# KiCad board MinicalcControlPanel.kicad_pcb (continued)
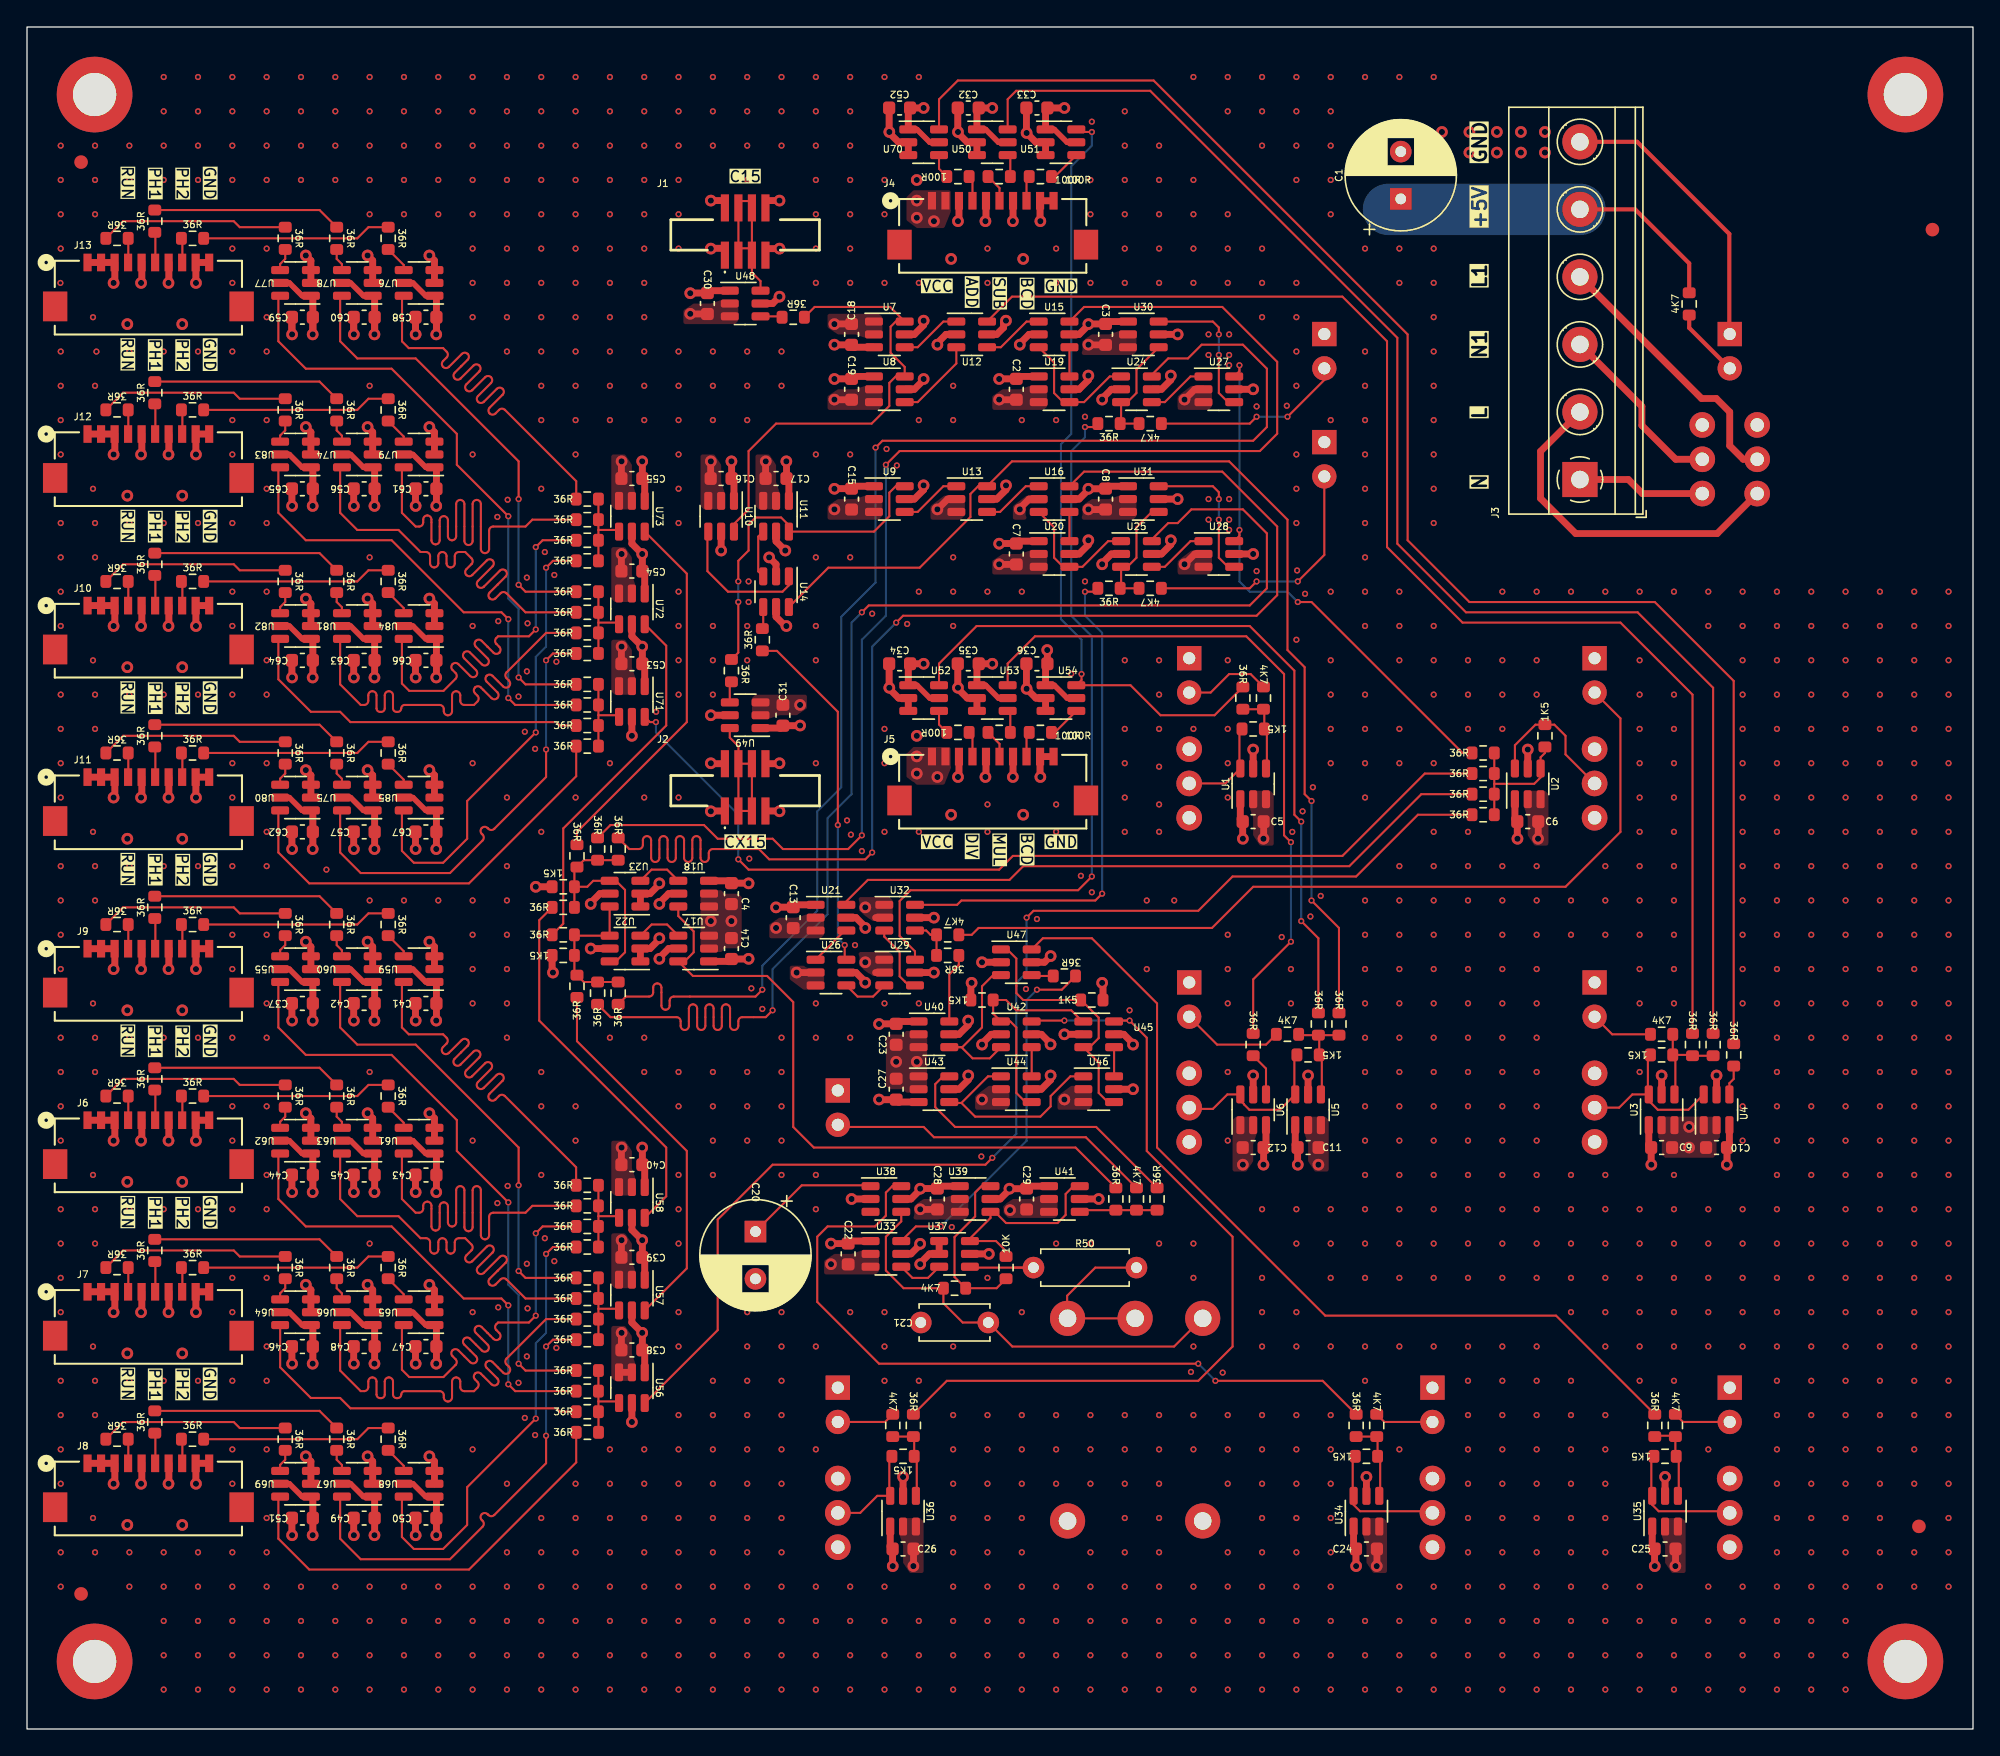
[diagram p0: board, top side]
## Routing (per net, layer and track width the routed paths; a pad name or vN(x,y) marks a point on that pad's centre or on a via; arc(x,y) is an arc through that point) (continued)
  Bottom w0.152: v2(36.38,27.04) 36.38,32.12 35.62,32.89 v2(35.62,38.98)
/CONTINUE: length 26.1
  Top w0.152: R23.1 55.49,79.81 60,75.3 v2(60,66.92) ; U26.6 60.51,57.07 v2(60.51,58.03)
  Bottom w0.152: v2(60,66.92) 60,58.54 v2(60.51,58.03)
/CX15: length 25.7
  Top w0.152: R6.1 52.63,79.69 v2(52.63,83.43) ; U11.6 56.38,89.11 55.8,89.69 53.92,89.69 53.4,89.17 53.4,87.25 52.63,86.48 v2(52.63,84.96) ; U11.6 62.67,88.64 63.81,89.78 63.81,91.53 64.29,92 U9.6 ; U11.6 56.38,88.32
  Bottom w0.152: v2(52.63,84.96) v2(52.63,83.43)
/DIV_1: length 82.2
  Top w0.152: U14.6 59.29,85.97 66.06,85.97 69.81,89.73 69.81,91.43 70.38,92 U13.6 72.89,93.85 88.96,93.85 93.27,89.53 93.27,79.88 94.54,78.61 94.54,69.21 v2(95.05,68.7) ; v2(95.05,61.33) 97.08,59.3 R18.1
  Bottom w0.152: v2(95.05,61.33) v2(95.05,68.7)
/DIV_2: length 56.5
  Top w0.152: U52.6 67.49,78.87 70.27,81.65 90.48,81.65 93.78,78.35 93.78,67.68 v2(94.29,67.18) ; R19.1 95.56,58.54 v2(94.29,59.81)
  Bottom w0.152: v2(94.29,59.81) v2(94.29,67.18)
/DIV_LED: length 7.6
  Top w0.152: D8.2 88.06,50.67 91.69,50.67 R17.1
/DIVZERO: length 38.1
  Top w0.152: v2(78.29,84.19) 78.99,84.19 R37.1 ; U32.6 68.82,61.01 69.14,61.33 79.05,61.33 v2(79.56,61.84)
  Bottom w0.152: v2(78.29,84.19) 78.29,82.42 79.56,81.15 v2(79.56,61.84)
/DIVZERO_LED: length 19
  Top w0.152: R36.1 90.48,84.45 v2(90.99,84.96) ; 95.97,92.73 95.9,92.66 ; D5.2 96,86.92 v2(94.04,84.96)
  Bottom w0.152: v2(90.99,84.96) v2(94.04,84.96)
/EXEC: length 5.2
  Top w0.152: R39.1 68.95,56.57 68.25,55.87 U40.6
/EXEC_LED: length 63.2
  Top w0.152: D2.2 117.91,74.82 117.91,66.41 113.85,62.35 90.73,62.35 87.69,59.3 70.41,59.3 69.91,58.79 R38.1
/IN11/I: length 11.9
  Top w0.152: U48.6 54.28,107.19 53.64,107.82 J1.3 ; 52.64,113.12 53.64,113.12 53.64,109.62 52.64,109.62 52.64,113.12
/IN11/O: length 1.6
  Top w0.152: U48.4 55.81,104.58 55.87,104.51
/IN12/I: length 11.9
  Top w0.152: U49.6 52,73.39 52.64,72.76 J2.2 ; J2.2 J2.3 J2.3 J2.2 J2.2
/IN12/O: length 1.6
  Top w0.152: R6.2 52,77.41 U49.4
/MUL: length 52
  Top w0.152: U53.6 72.57,78.87 74.59,80.89 90.23,80.89 93.02,78.1 93.02,66.16 v2(93.53,65.65) ; R20.1 90.73,55.49 v2(93.53,58.29)
  Bottom w0.152: v2(93.53,58.29) v2(93.53,65.65)
/OUT0/O: length 1.9
  Top w0.152: R98.1 69.96,114.68 J4.4
/OUT1/O: length 2.1
  Top w0.152: J4.6 71.96,114.08 R57.1
/OUT2/O: length 1.9
  Top w0.152: J4.8 73.96,114.73 R58.1
/OUT3/O: length 1.9
  Top w0.152: R59.1 69.96,73.53 J5.4
/OUT4/O: length 2.1
  Top w0.152: R60.1 71.96,72.93 J5.6
/OUT5/O: length 1.9
  Top w0.152: J5.8 73.96,73.58 R61.1
/OVERFLOW: length 55.2
  Top w0.152: U29.6 65.71,57.57 64.57,58.71 64.57,61.29 65.37,62.1 77.78,62.1 v2(78.8,63.11) ; R35.1 78.99,96.39 v2(78.29,96.39)
  Bottom w0.152: v2(78.8,63.11) 78.8,80.89 77.27,82.42 77.27,94.61 78.29,95.62 v2(78.29,96.39)
/OVERFLOW_LED: length 14.3
  Top w0.152: D4.2 96,99.87 v2(93.27,97.15) ; v2(90.99,97.15) 90.48,96.64 R34.1
  Bottom w0.152: v2(90.99,97.15) v2(93.27,97.15)
/PH1_1: length 102
  Top w0.152: R26.1 44.31,54.22 46.03,54.22 arc(46.25,54.31) 46.33,54.53 46.33,54.89 arc(46.42,55.11) 46.64,55.2 arc(46.86,55.11) 46.94,54.89 46.94,53.55 arc(47.03,53.34) 47.25,53.25 arc(47.46,53.34) 47.55,53.55 47.55,53.92 arc(47.64,54.13) 47.86,54.22 53.9,54.22 v2(54.41,54.73) ; v2(62.79,94.86) 63.3,95.37 90.73,95.37 91.75,96.39 91.75,100.7 89.97,102.48 86.92,102.48 85.91,101.47 84.44,101.47 83.24,100.26 U24.6
  Bottom w0.152: v2(62.79,94.86) 62.79,84.88 60.25,82.34 60.25,69.72 58.48,67.94 58.48,60.57 54.41,56.51 v2(54.41,54.73)
/PH1_2: length 102
  Top w0.152: R27.1 43.17,52.7 48.06,52.7 arc(48.28,52.61) 48.37,52.39 48.37,52.05 arc(48.46,51.84) 48.67,51.75 arc(48.89,51.84) 48.98,52.05 48.98,53.34 arc(49.07,53.56) 49.28,53.65 arc(49.5,53.56) 49.59,53.34 49.59,52.05 arc(49.68,51.84) 49.89,51.75 arc(50.11,51.84) 50.2,52.05 50.2,53.34 arc(50.28,53.56) 50.5,53.65 arc(50.72,53.56) 50.81,53.34 50.81,52.05 arc(50.89,51.84) 51.11,51.75 arc(51.33,51.84) 51.41,52.05 51.41,53.34 arc(51.5,53.56) 51.72,53.65 arc(51.94,53.56) 52.02,53.34 52.02,52.05 arc(52.11,51.84) 52.33,51.75 arc(52.54,51.84) 52.63,52.05 52.63,52.39 arc(52.72,52.61) 52.94,52.7 54.67,52.7 v2(55.17,53.21) ; U25.6 83.24,88.07 84.44,89.27 85.15,89.27 86.16,90.29 89.97,90.29 91.75,88.51 91.75,84.45 90.48,83.18 62.29,83.18 v2(61.78,82.67)
  Bottom w0.152: v2(55.17,53.21) 55.17,56.25 59.24,60.32 59.24,67.43 61.02,69.21 61.02,81.91 v2(61.78,82.67)
/PH1_3: length 27.1
  Top w0.152: R28.1 39.68,59.62 39.68,66.67 47.3,74.29 47.3,80.2 U72.6
/PH1_4: length 27.8
  Top w0.152: U57.6 48.82,34.1 48.82,42.79 40.7,50.92 40.7,54.16
/PH2_1: length 102
  Top w0.152: v2(61.78,66.16) 60.76,65.14 55.94,65.14 55.17,65.91 51.11,65.91 50.09,66.92 43.17,66.92 42.22,65.97 ; v2(63.56,93.59) 64.57,94.61 91.23,94.61 92.51,95.89 92.51,101.21 88.45,105.28 78.22,105.28 U15.6
  Bottom w0.152: v2(61.78,66.16) 61.78,80.64 63.56,82.42 v2(63.56,93.59)
/PH2_2: length 102
  Top w0.152: v2(62.54,64.89) 62.03,64.38 54.92,64.38 54.16,65.14 50.75,65.14 arc(50.54,65.05) 50.45,64.84 50.45,64.49 arc(50.36,64.28) 50.14,64.19 arc(49.93,64.28) 49.84,64.49 49.84,65.8 arc(49.75,66.01) 49.54,66.1 arc(49.32,66.01) 49.23,65.8 49.23,64.49 arc(49.14,64.28) 48.93,64.19 arc(48.71,64.28) 48.62,64.49 48.62,65.8 arc(48.53,66.01) 48.32,66.1 arc(48.1,66.01) 48.01,65.8 48.01,64.49 arc(47.92,64.28) 47.71,64.19 arc(47.49,64.28) 47.4,64.49 47.4,65.8 arc(47.31,66.01) 47.1,66.1 arc(46.88,66.01) 46.79,65.8 46.79,64.49 arc(46.7,64.28) 46.49,64.19 arc(46.27,64.28) 46.18,64.49 46.18,65.8 arc(46.09,66.01) 45.88,66.1 arc(45.66,66.01) 45.57,65.8 45.57,65.45 arc(45.48,65.23) 45.27,65.14 44.57,65.14 43.74,65.97 ; U16.6 78.22,93.08 88.45,93.08 92.51,89.02 92.51,83.94 90.99,82.42 64.83,82.42 v2(64.32,81.91)
  Bottom w0.152: v2(62.54,64.89) 62.54,80.13 v2(64.32,81.91)
/PH2_3: length 27.8
  Top w0.152: U73.6 48.82,85.53 48.82,74.54 40.7,66.41 R32.1
/PH2_4: length 27.9
  Top w0.152: R33.1 37.9,59.87 37.9,52.44 47.3,43.05 47.3,39.43 U58.6
/RUN_1: length 40.2
  Top w0.152: U27.6 89.72,100.52 v2(89.72,100.96) ; R9.1 106.23,72.26 95.05,83.43 v2(94.04,83.43) ; v2(89.72,88.77) 89.72,88.32 U28.6
  Bottom w0.152: v2(94.04,83.43) 93.27,84.19 90.48,84.19 89.72,84.96 v2(89.72,88.77) ; 89.72,89.02 v2(89.72,100.96)
/RUN_2: length 49.6
  Top w0.152: 60.63,61.27 62.22,62.86 72.7,62.86 73.72,63.87 97.85,63.87 103.18,69.21 R10.1
/RUN_3: length 71.6
  Top w0.152: v2(46.54,74.54) 46.1,74.54 U71.6 ; 106.58,70.73 R11.1 103.43,70.73 97.34,64.64 72.95,64.64 71.94,63.62 53.4,63.62 v2(52.63,64.38)
  Bottom w0.152: v2(46.54,74.54) 46.54,73.78 52.63,67.68 v2(52.63,64.38)
/RUN_4: length 93
  Top w0.152: U56.6 51.11,29.53 51.11,37.71 55.17,41.78 70.92,41.78 v2(71.43,42.28) ; v2(73.97,60.06) 74.48,60.57 86.67,60.57 89.21,63.11 98.35,63.11 102.93,67.68 R12.1
  Bottom w0.152: v2(73.97,60.06) 73.97,56 73.21,55.24 73.21,44.06 v2(71.43,42.28)
/SUB_1: length 99.2
  Top w0.152: R14.1 123.25,76.57 117.91,81.91 106.23,81.91 100.64,87.5 100.64,102.74 97.34,106.04 72.89,106.04 U12.6
/SUB_2: length 107.5
  Top w0.152: U50.6 72.57,120.65 73.2,121.28 83.11,121.28 101.4,102.99 101.4,87.75 106.48,82.67 119.18,82.67 124.77,77.08 R15.1
/SUB_LED: length 4.7
  Top w0.152: R13.1 117.3,51.43 D7.2
Net-(C20-Pad1): length 10
  Top w0.152: U38.1 62.35,40.25 57.33,40.25 C20.1
Net-(C21-Pad1): length 32.5
  Top w0.152: 64.23,38.29 U38.4 64.69,37.58 63.56,36.44 63.56,33.94 64.87,32.63 R51.1 67.81,31.52 69.24,30.09 C21.1 72.91,28.31 84.88,28.31 86.97,30.4
Net-(D1-A): length 5.2
  Top w0.305: R40.1 123,103.73 125.99,100.74 125.99,100.7
Net-(J3-Pin_1): length 9.5
  Top w0.5: J3.1 118.5,92.5 119.54,91.46 SW5.6
Net-(J3-Pin_2): length 25.9
  Top w0.5: SW5.3 125.07,88.5 114.6,88.5 112,91.1 112,94.58 J3.2
Net-(J3-Pin_3): length 13.4
  Top w0.5: SW5.5 122,94 119.5,96.5 119.5,97.92 J3.3
Net-(J3-Pin_4): length 20.2
  Top w0.5: SW5.2 127,94 126,95 126,97.5 125,98.5 123.91,98.5 J3.4
Net-(R1-Pad1): length 6
  Top w0.152: U1.4 91.75,71.17 91.75,73.84 R1.1 91.56,75.43 91.5,75.5 89.97,75.5
Net-(R10-Pad2): length 10.8
  Top w0.152: R9.2 R11.2 108.58,69.97 ; 108.58,69.97 R10.2 R12.2 ; 108.58,69.97 111.53,69.97 112,70.45 U2.4 ; U2.4 112.13,70.99 ; U2.4 112,71.94 112.32,72.26 R2.1
Net-(R13-Pad2): length 7.6
  Top w0.152: R3.1 121.98,49.71 121.98,47.04 U3.4 ; R3.1 R13.2 ; R3.1 123.18,49.9 R14.2 R15.2
Net-(R16-Pad2): length 2.2
  Top w0.152: U4.4 125.97,47.81 126.29,48.13 R16.2
Net-(R17-Pad2): length 7.5
  Top w0.152: U5.4 95.81,47.04 95.81,49.71 R4.1 95.62,51.3 R19.2 ; R19.2 R18.2 ; R19.2 94.16,51.37 R17.2
Net-(R20-Pad2): length 3.3
  Top w0.152: R20.2 91.68,48.89 U6.4
Net-(R23-Pad2): length 1.7
  Top w0.152: R23.2 54.48,81.53 U14.4 54.41,82.99
Net-(R24-Pad1): length 16.6
  Top w0.152: U22.6 43.58,56.83 44.25,57.5 44.25,62.12 43.58,62.79 U23.4 41.9,62.79 41.46,62.35 R24.1 ; R24.1 40.5,63.62 R32.2 41.2,64.32 R30.2 R31.2 ; R24.1 R33.2
Net-(R25-Pad1): length 11.1
  Top w0.152: U23.6 U22.4 40.57,58.73 R28.2 R25.1 40.5,56 41.2,55.3 R27.2 R26.2
Net-(R34-Pad2): length 8.5
  Top w0.152: U30.4 82.1,100.65 82.1,98.9 81.42,98.23 U24.3 80.96,96.71 R35.2 82.29,96.64
Net-(R36-Pad2): length 8.3
  Top w0.152: 82.29,84.45 R37.2 80.96,84.52 U25.3 81.42,86.04 82.1,86.71 82.1,88.96 83.24,90.1
Net-(R38-Pad2): length 3.3
  Top w0.152: U32.4 66.54,59.11 66.86,58.79 R38.2 R39.2
Net-(R41-Pad1): length 6.1
  Top w0.152: R44.2 R45.2 ; U34.4 100.13,17.33 100.13,20 R41.1 99.94,21.71
Net-(R42-Pad1): length 6
  Top w0.152: 120.52,21.71 121.91,21.71 R46.2 121.98,20.25 R42.1 122.23,20 122.23,17.33 U35.4
Net-(R43-Pad1): length 6.1
  Top w0.152: U36.4 65.84,17.33 65.84,20 65.65,20.19 65.65,21.71 ; R49.2 R48.2
Net-(R50-Pad1): length 5.5
  Top w0.152: U37.4 69.84,34.16 73.72,34.16 ; R50.1 72.95,34.16
Net-(R50-Pad2): length 12.7
  Top w0.152: R50.2 79.05,34.16 76.97,32.07 76.97,30.4 81.97,30.4
Net-(R51-Pad2): length 12.7
  Top w0.152: R52.1 71.75,32.63 R51.2 68.64,33.46 68.64,36.42 70.16,37.95 70.16,39.71 70.64,40.19 U39.6
Net-(R52-Pad2): length 15.2
  Top w0.152: U41.6 77.43,40.19 76.86,39.61 76.86,38.06 76.26,37.46 72.45,37.46 71.62,38.29 U39.4 71.3,37.83 69.77,36.31 U37.6 71.71,36.12 72.45,35.38 R52.2
Net-(R54-Pad1): length 16.7
  Top w0.152: U45.1 78.1,52.38 77.27,53.21 73.21,53.21 72.45,53.97 R54.1 71.49,52.96 U42.1 72.77,52.38 73.21,51.94 73.21,47.09 73.88,46.41 U44.4
Net-(R55-Pad1): length 19
  Top w0.152: U47.1 72.53,57.71 73.21,57.04 73.21,54.48 73.72,53.97 77.99,53.97 79.3,52.66 79.3,51.15 78.63,50.48 U45.3 79.3,49.34 79.3,47.09 79.98,46.41 U46.4
Net-(R56-Pad2): length 1.6
  Top w0.152: R56.2 74.41,55.75 U47.4
Net-(R57-Pad2): length 1.7
  Top w0.152: U50.4 72.76,116.32 72.76,114.93
Net-(R58-Pad2): length 2.5
  Top w0.152: 75.81,114.93 76.06,114.93 U51.4
Net-(R59-Pad2): length 1.8
  Top w0.152: U52.4 67.49,74.36 68.06,73.78
Net-(R60-Pad2): length 1.7
  Top w0.152: 72.76,73.78 72.76,75.17 U53.4
Net-(R61-Pad2): length 2.5
  Top w0.152: U54.4 76.06,73.78 75.81,73.78
Net-(R62-Pad1): length 14
  Top w0.152: R63.2 7.1,60.83 15.3,60.83 15.74,60.38 R62.1
Net-(R62-Pad2): length 1.7
  Top w0.152: U55.4 18.73,57.66 19.11,58.03 R62.2
Net-(R64-Pad2): length 6.2
  Top w0.152: 42.28,24.25 43.69,24.25 U56.4 ; 42.28,24.25 R66.2 R67.2 ; 42.28,24.25 R65.2 42.29,23.48 R64.2
Net-(R68-Pad2): length 6.1
  Top w0.152: 42.28,31.11 R70.2 R71.2 ; 42.28,31.11 R69.2 R68.2 ; 42.28,31.11 43.69,31.11 U57.4
Net-(R72-Pad2): length 6.1
  Top w0.152: R72.2 R73.2 42.28,37.97 ; 42.28,37.97 R74.2 R75.2 ; 42.28,37.97 43.69,37.97 U58.4
Net-(R76-Pad1): length 14
  Top w0.152: R77.2 24.44,59.56 25.27,60.38 R76.1
Net-(R76-Pad2): length 2
  Top w0.152: R76.2 27.87,57.58 U59.4
Net-(R78-Pad1): length 14.1
  Top w0.152: R78.1 21.65,61.65 R79.2 9.39,61.59
Net-(R78-Pad2): length 1.7
  Top w0.152: R78.2 22.92,58.03 23.3,57.65 U60.4
Net-(R80-Pad1): length 14
  Top w0.152: R80.1 25.27,47.68 24.44,46.86 R81.2
Net-(R80-Pad2): length 2
  Top w0.152: R80.2 27.87,44.88 U61.4
Net-(R82-Pad1): length 14
  Top w0.152: R82.1 15.74,47.68 15.3,48.13 7.1,48.13 R83.2
Net-(R82-Pad2): length 1.7
  Top w0.152: U62.4 18.73,44.96 19.11,45.33 R82.2
Net-(R84-Pad1): length 14.1
  Top w0.152: R84.1 21.65,48.95 R85.2 9.39,48.89
Net-(R84-Pad2): length 1.7
  Top w0.152: U63.4 23.3,44.95 22.92,45.33 R84.2
Net-(R86-Pad1): length 14
  Top w0.152: R86.1 15.74,34.98 15.3,35.43 7.1,35.43 R87.2
Net-(R86-Pad2): length 1.7
  Top w0.152: R86.2 19.11,32.63 18.73,32.26 U64.4
Net-(R88-Pad1): length 14
  Top w0.152: R89.2 24.44,34.16 25.27,34.98 R88.1
Net-(R88-Pad2): length 2
  Top w0.152: R88.2 27.87,32.18 U65.4
Net-(R90-Pad1): length 14.1
  Top w0.152: R90.1 21.65,36.25 9.45,36.25 9.39,36.19
Net-(R90-Pad2): length 1.7
  Top w0.152: R90.2 22.92,32.63 23.3,32.25 U66.4
Net-(R92-Pad1): length 14.1
  Top w0.152: R92.1 21.65,23.55 R93.2 9.39,23.49
Net-(R92-Pad2): length 1.7
  Top w0.152: R92.2 22.92,19.93 23.3,19.55 U67.4
Net-(R94-Pad1): length 14
  Top w0.152: R95.2 24.44,21.46 25.27,22.28 R94.1
Net-(R94-Pad2): length 2
  Top w0.152: U68.4 27.87,19.48 R94.2
Net-(R96-Pad1): length 14
  Top w0.152: R97.2 7.1,22.73 15.3,22.73 15.74,22.28 R96.1
Net-(R96-Pad2): length 1.7
  Top w0.152: R96.2 19.11,19.93 18.73,19.56 U69.4
Net-(R98-Pad2): length 1.8
  Top w0.152: 68.06,114.93 67.49,115.51 U70.4
Net-(R100-Pad2): length 6.1
  Top w0.152: 42.28,75.05 R100.2 R99.2 ; 42.28,75.05 R101.2 R102.2 ; 42.28,75.05 43.69,75.05 U71.4
Net-(R103-Pad2): length 6.1
  Top w0.152: 42.28,81.91 R104.2 R103.2 ; 42.28,81.91 43.69,81.91 U72.4 ; 42.28,81.91 R105.2 R106.2
Net-(R107-Pad2): length 6.1
  Top w0.152: R110.2 R109.2 42.28,88.77 ; 42.28,88.77 43.69,88.77 U73.4 ; 42.28,88.77 R108.2 R107.2
Net-(R111-Pad1): length 14.1
  Top w0.152: 22.92,98.48 21.65,99.75 R112.2 9.39,99.69
Net-(R111-Pad2): length 1.7
  Top w0.152: R111.2 22.92,96.13 23.3,95.75 U74.4
Net-(R113-Pad1): length 14.1
  Top w0.152: R113.1 21.65,74.35 R114.2 9.39,74.29
Net-(R113-Pad2): length 1.7
  Top w0.152: U75.4 23.3,70.35 22.92,70.73 R113.2
Net-(R115-Pad1): length 14
  Top w0.152: R115.1 25.27,111.18 24.44,110.36 R116.2
Net-(R115-Pad2): length 2
  Top w0.152: 26.73,109.53 27.87,108.38 U76.4
Net-(R117-Pad1): length 14
  Top w0.152: R117.1 15.74,111.18 15.3,111.63 7.1,111.63 R118.2
Net-(R117-Pad2): length 1.7
  Top w0.152: 19.11,109.53 19.11,108.83 18.73,108.46 U77.4
Net-(R119-Pad1): length 14.1
  Top w0.152: 9.39,112.39 R120.2 21.65,112.45 R119.1
Net-(R119-Pad2): length 1.7
  Top w0.152: 22.92,109.53 22.92,108.83 23.3,108.45 U78.4
Net-(R121-Pad1): length 14
  Top w0.152: 26.73,98.48 25.27,98.48 24.44,97.66 R122.2
Net-(R121-Pad2): length 2
  Top w0.152: U79.4 27.87,95.68 R121.2
Net-(R123-Pad1): length 14
  Top w0.152: R123.1 15.74,73.08 15.3,73.53 7.1,73.53 R124.2
Net-(R123-Pad2): length 1.7
  Top w0.152: U80.4 18.73,70.36 19.11,70.73 R123.2
Net-(R125-Pad1): length 14.1
  Top w0.152: R125.1 21.65,87.05 R126.2 9.39,86.99
Net-(R125-Pad2): length 1.7
  Top w0.152: U81.4 23.3,83.05 22.92,83.43 R125.2
Net-(R127-Pad1): length 14
  Top w0.152: R127.1 15.74,85.78 15.3,86.23 7.1,86.23 R128.2
Net-(R127-Pad2): length 1.7
  Top w0.152: R127.2 19.11,83.43 18.73,83.06 U82.4
Net-(R129-Pad1): length 14
  Top w0.152: R130.2 7.1,98.93 15.3,98.93 15.74,98.48 19.11,98.48
Net-(R129-Pad2): length 1.7
  Top w0.152: U83.4 18.73,95.76 19.11,96.13 R129.2
Net-(R131-Pad1): length 14
  Top w0.152: R132.2 24.44,84.96 25.27,85.78 R131.1
Net-(R131-Pad2): length 2
  Top w0.152: U84.4 27.87,82.98 R131.2
Net-(R133-Pad1): length 14
  Top w0.152: R134.2 24.44,72.26 25.27,73.08 R133.1
Net-(R133-Pad2): length 2
  Top w0.152: U85.4 27.87,70.28 R133.2
Net-(SW1-B): length 7.3
  Top w0.152: 89.91,74.03 89.72,73.84 89.72,71.17 U1.6 88.68,70 85.97,70
Net-(SW2-B): length 10.9
  Top w0.152: SW2.2 113.85,72.15 113.85,73.53 113.02,74.35 R2.2 111.63,74.35 110.1,72.83 U2.6
Net-(SW3-B): length 12.7
  Top w0.152: U3.6 120.01,46.51 120.68,45.84 122.94,45.84 U4.6 ; U3.6 118.8,46.98 117.82,46 SW3.2 ; U3.6 119.94,47.04 119.94,49.71 R3.2
Net-(SW4-B): length 12.7
  Top w0.152: 85.87,45.91 87.75,45.91 88.82,46.98 U6.6 89.78,46.54 90.05,46.27 90.05,46.24 90.45,45.84 92.71,45.84 U5.6 93.78,47.04 93.78,49.71 R4.2
Net-(SW6-B): length 9.8
  Top w0.152: SW6.2 103.88,16.12 98.64,16.12 98.17,16.6 U34.6 98.1,17.33 98.1,20 R41.2
Net-(SW7-B): length 9.7
  Top w0.152: SW7.2 125.88,16.12 120.74,16.12 120.26,16.6 U35.6 120.2,17.33 120.2,20 120.39,20.19
Net-(SW8-B): length 7.5
  Top w0.152: 59.97,16 61.66,16 62.92,17.26 63.87,17.26 ; U36.6 63.81,17.33 63.81,20 R43.2
Net-(U10-Pad4): length 10.5
  Top w0.152: U14.1 56.38,84.67 55.9,84.19 51.87,84.19 50.35,85.72 50.35,88.58 U10.4
Net-(U11-Pad4): length 3.6
  Top w0.152: U14.3 54.11,85.7 54.11,88.27 U11.4
Net-(U12-Pad1): length 4.6
  Top w0.152: U7.4 65.91,102.29 67.81,104.19 U12.1
Net-(U12-Pad3): length 6.2
  Top w0.152: U12.3 68.77,101.09 65.91,98.23 U8.4
Net-(U12-Pad4): length 4.6
  Top w0.152: U12.4 72.06,102.29 73.96,104.19 U15.1
Net-(U13-Pad1): length 4.6
  Top w0.152: U13.1 67.81,92 65.91,90.1 U9.4
Net-(U13-Pad4): length 4.6
  Top w0.152: U13.4 72,90.1 73.9,92 U16.1
Net-(U15-Pad3): length 9.9
  Top w0.152: U24.1 80.12,100.13 78.22,98.23 U19.4 76.68,98.23 76,98.9 76,101.16 U15.3
Net-(U15-Pad4): length 2.2
  Top w0.152: U15.4 U19.6
Net-(U16-Pad3): length 9.9
  Top w0.152: U16.3 76,88.96 76,86.71 76.68,86.04 U20.4 78.1,86.04 80,87.94 U25.1
Net-(U16-Pad4): length 2.2
  Top w0.152: U16.4 U20.6
Net-(U17-Pad4): length 3.5
  Top w0.152: U22.3 46.22,59.56 47.37,59.56 U17.4
Net-(U18-Pad4): length 3.5
  Top w0.152: U18.4 47.37,63.62 46.22,63.62 U23.3
Net-(U21-Pad4): length 3.2
  Top w0.152: U21.4 60.52,59.11 U26.1
Net-(U24-Pad4): length 4.6
  Top w0.152: U27.1 86.1,100.13 84.2,98.23 U24.4
Net-(U25-Pad4): length 4.6
  Top w0.152: U28.1 86.1,87.94 84.2,86.04 U25.4
Net-(U26-Pad4): length 3.5
  Top w0.152: U26.4 61.46,54.22 62.61,54.22 U29.3
Net-(U27-Pad4): length 10.9
  Top w0.152: v2(88.19,103.24) 88.19,103.75 87.75,104.19 U30.6 ; v2(88.19,101.72) 88.19,98.9 88.87,98.23 U27.4
  Bottom w0.152: v2(88.19,101.72) v2(88.19,103.24)
Net-(U28-Pad4): length 10.9
  Top w0.152: v2(88.19,89.53) 88.19,86.71 88.87,86.04 U28.4 ; v2(88.19,91.05) 88.19,91.56 87.75,92 U31.6
  Bottom w0.152: v2(88.19,89.53) v2(88.19,91.05)
Net-(U29-Pad4): length 5.3
  Top w0.152: U32.3 63.43,58.66 64.57,57.52 64.57,55.72 64.97,55.32 64.98,55.32 65.25,55.05 U29.4
Net-(U33-Pad4): length 3.5
  Top w0.152: U37.3 66.67,33.39 65.52,33.39 U33.4
Net-(U40-Pad4): length 12.3
  Top w0.152: U47.3 71.5,55.81 70.67,54.98 70.67,51.94 69.21,50.48 U40.4 69.14,50.48 69.97,49.65 71.24,49.65 U42.3
Net-(U42-Pad4): length 1.9
  Top w0.152: U42.4 74.35,48.57
Net-(U43-Pad4): length 15.8
  Top w0.152: 69.14,46.35 68.32,46.35 U43.4 ; 69.14,46.35 70.16,45.33 74.99,45.33 75.75,46.09 75.75,46.86 77.21,48.31 U46.1 ; 69.14,46.35 71.11,48.31 U44.1
Net-(U45-Pad4): length 2.2
  Top w0.152: U46.6 U45.4

## Copper pours and planes (outline as drawn; the poured copper is in the pictures)
GND on Top: 56.44,55.49 56.44,56.51 58.73,56.51 58.98,56.26 58.98,54.73 57.46,54.73
GND on Top: 44.76,86.73 44.25,87.5 43.24,87.5 43.24,83.69 43.49,83.43 45.01,83.43 45.01,84.7 44.76,85.46
GND on Top: 59.75,35.17 58.98,34.66 58.98,33.65 62.79,33.65 63.05,33.9 63.05,35.43 61.78,35.43 61.02,35.17
GND on Top: 64.83,12.31 65.33,11.55 66.35,11.55 66.35,15.36 66.1,15.61 64.57,15.61 64.57,14.34 64.83,13.58
GND on Top: 51.36,93.59 50.86,94.35 49.84,94.35 49.84,90.54 50.09,90.29 51.62,90.29 51.62,91.56 51.36,92.32
GND on Top: 120.98,43.55 120.71,43.78 120.71,45.34 125.28,45.33 125.28,43.81 125.02,43.53 125.02,42.54 124.77,42.28 121.22,42.28 120.97,42.54
GND on Top: 66.86,90.54 66.86,89.53 69.14,89.53 69.4,89.78 69.4,91.31 67.87,91.31
GND on Top: 72.19,86.99 71.43,86.48 71.43,85.46 75.24,85.46 75.49,85.71 75.49,87.24 74.22,87.24 73.46,86.99
GND on Top: 60,91.05 59.24,90.54 59.24,89.53 63.05,89.53 63.3,89.78 63.3,91.31 62.03,91.31 61.27,91.05
GND on Top: 44.76,29.08 44.25,29.84 43.24,29.84 43.24,26.03 43.49,25.77 45.01,25.77 45.01,27.04 44.76,27.81
GND on Top: 90.73,42.03 90.23,41.27 89.21,41.27 89.21,45.08 89.46,45.33 90.99,45.33 90.99,44.06 90.73,43.3
GND on Top: 85.15,86.48 85.15,85.46 87.43,85.46 87.69,85.71 87.69,87.24 86.16,87.24
GND on Top: 76.26,46.86 76.26,45.84 78.54,45.84 78.8,46.09 78.8,47.62 77.27,47.62
GND on Top: 66.35,39.24 65.59,38.73 65.59,37.71 69.4,37.71 69.65,37.96 69.65,39.49 68.38,39.49 67.62,39.24
GND on Top: 70.16,46.86 70.16,45.84 72.45,45.84 72.7,46.09 72.7,47.62 71.18,47.62
GND on Top: 60,99.18 59.24,98.67 59.24,97.66 63.05,97.66 63.3,97.91 63.3,99.43 62.03,99.43 61.27,99.18
GND on Top: 78.8,103.24 78.03,102.74 78.03,101.72 81.84,101.72 82.1,101.97 82.1,103.5 80.83,103.5 80.07,103.24
GND on Top: 44.76,35.93 44.25,36.7 43.24,36.7 43.24,32.89 43.49,32.63 45.01,32.63 45.01,33.9 44.76,34.66
GND on Top: 72.95,90.54 72.95,89.53 75.24,89.53 75.49,89.78 75.49,91.31 73.97,91.31
GND on Top: 78.8,91.05 78.03,90.54 78.03,89.53 81.84,89.53 82.1,89.78 82.1,91.31 80.83,91.31 80.07,91.05
GND on Top: 44.76,93.59 44.25,94.35 43.24,94.35 43.24,90.54 43.49,90.29 45.01,90.29 45.01,91.56 44.76,92.32
GND on Top: 49.33,105.53 48.57,105.02 48.57,104.01 52.38,104.01 52.63,104.26 52.63,105.78 51.36,105.78 50.6,105.53
GND on Top: 56.95,75.05 57.71,75.56 57.71,76.57 53.9,76.57 53.65,76.32 53.65,74.8 54.92,74.8 55.68,75.05
GND on Top: 94.8,42.03 95.31,41.27 96.32,41.27 96.32,45.08 96.07,45.33 94.54,45.33 94.54,44.06 94.8,43.3
GND on Top: 44.76,79.88 44.25,80.64 43.24,80.64 43.24,76.83 43.49,76.57 45.01,76.57 45.01,77.84 44.76,78.61
GND on Top: 60,103.24 59.24,103.75 59.24,104.77 63.05,104.77 63.3,104.52 63.3,102.99 62.03,102.99 61.27,103.24
GND on Top: 61.52,60.57 61.52,61.59 63.81,61.59 64.06,61.34 64.06,59.81 62.54,59.81
GND on Top: 64.83,51.41 65.05,51.68 66.61,51.68 66.6,47.11 65.08,47.11 64.8,47.36 63.81,47.36 63.56,47.62 63.56,51.17 63.81,51.42
GND on Top: 111.05,66.16 111.56,65.4 112.58,65.4 112.58,69.21 112.33,69.46 110.8,69.46 110.8,68.19 111.05,67.43
GND on Top: 55.43,93.59 54.92,94.35 53.9,94.35 53.9,90.54 54.15,90.29 55.68,90.29 55.68,91.56 55.43,92.32
GND on Top: 72.95,39.24 72.19,38.73 72.19,37.71 76,37.71 76.26,37.96 76.26,39.49 74.99,39.49 74.22,39.24
GND on Top: 55.68,60.06 54.92,59.56 54.92,58.54 58.73,58.54 58.98,58.79 58.98,60.32 57.71,60.32 56.95,60.06
GND on Top: 51.62,57.79 51.39,57.52 49.83,57.52 49.84,62.1 51.36,62.1 51.64,61.84 52.63,61.84 52.89,61.59 52.89,58.04 52.63,57.79
GND on Top: 85.15,98.67 85.15,97.66 87.43,97.66 87.69,97.91 87.69,99.43 86.16,99.43
GND on Top: 44.76,42.79 44.25,43.55 43.24,43.55 43.24,39.74 43.49,39.49 45.01,39.49 45.01,40.76 44.76,41.52
GND on Top: 72.19,99.18 71.43,98.67 71.43,97.66 75.24,97.66 75.49,97.91 75.49,99.43 74.22,99.43 73.46,99.18
GND on Top: 90.73,66.16 91.24,65.4 92.26,65.4 92.26,69.21 92.01,69.46 90.48,69.46 90.48,68.19 90.73,67.43
GND on Top: 61.52,56.51 61.52,57.52 63.81,57.52 64.06,57.27 64.06,55.75 62.54,55.75
GND on Top: 121.21,12.31 121.72,11.55 122.74,11.55 122.74,15.36 122.49,15.61 120.96,15.61 120.96,14.34 121.21,13.58
GND on Top: 99.12,12.31 99.62,11.55 100.64,11.55 100.64,15.36 100.39,15.61 98.86,15.61 98.86,14.34 99.12,13.58
GND on GND_2, GND_3: 0.56,125.6 107.5,125.6 107.5,86.48 143.57,86.48 143.57,0.37 0.56,0.37
VCC on Top: 65.59,113.91 65.08,113.4 65.08,111.69 65.84,111.12 67.87,111.12 68.38,112.38 68.38,113.91
VCC on Top: 65.59,72.7 65.08,72.19 65.08,70.48 65.84,69.91 67.87,69.91 68.38,71.17 68.38,72.7
VCC on Bottom: 0.56,125.6 107.5,125.6 107.5,86.47 143.57,86.48 143.57,0.37 0.56,0.37

## Text on the board
B.Silkscreen: STEP | CLOCK | SPEED | BCD | DIV | OVERFLOW | DIVZERO | SLOW | RUN | SUB | DISCRETE | POWER
F.Silkscreen: C15 | CX15 | VCC | GND | ADD | DIV | SUB | MUL | BCD | RUN | PH1 | PH2 | +5V | L1 | N1 | L | N
